# Altium PCB ZYNQ_JTY_16CH.PcbDoc (part 2 of 5)
Units mm, origin at the board's own origin, x right, y up, seen from the top; angles counter-clockwise.
Board outline 164 x 124.5 mm, 4 copper layers (Top1, GND2, PWR3, Bottom4), stack 0.568 mm thick; 525 components, 438 nets, 2202 pads, 1379 vias.
Unrouted connection lines stored in the file: 13.
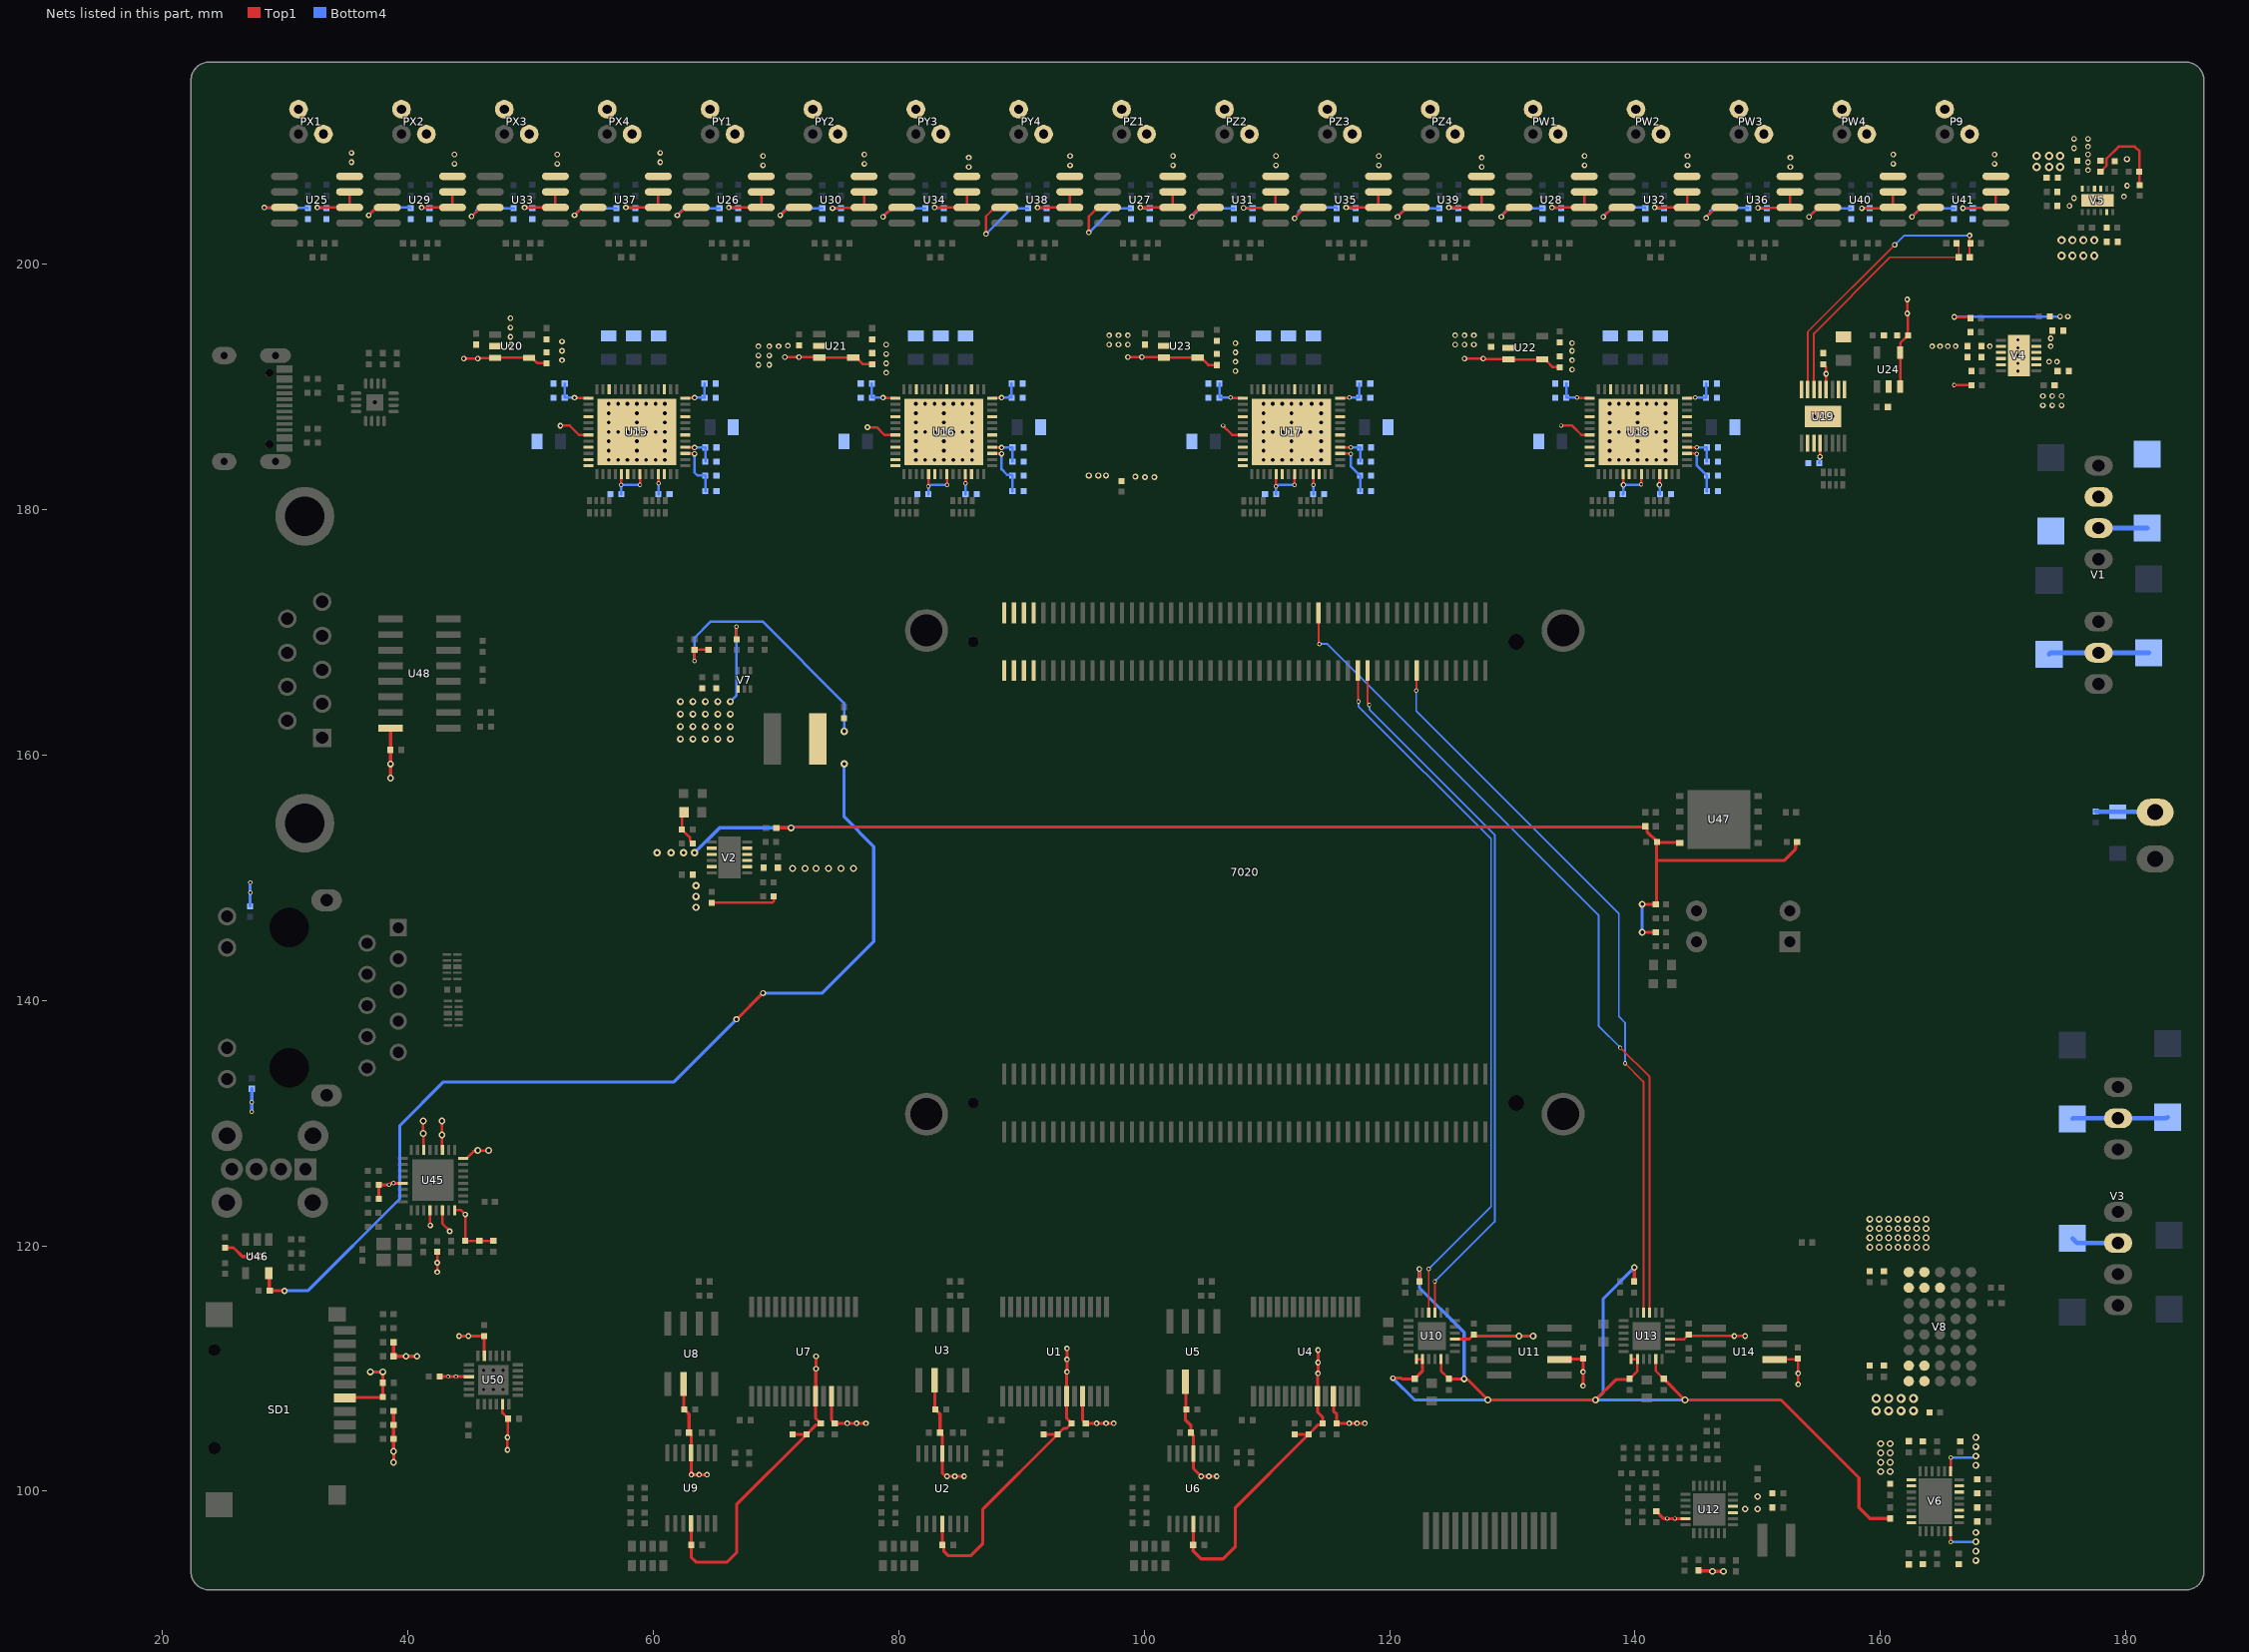
[diagram p4: the nets of this part, all layers, seen from the top]

## Footprints (in the part's own frame and the unit in brackets; to place one, negate y for a bottom-side part, rotate by r counter-clockwise, add the part's x,y. Pads: shape width x height; smd on the part's side, far side on the other; paste and mask are expansions set on the pad) (continued)
USB2.0_Type-A_DIP_F_3 [mm] "USB2.0_Type-A直插立式母座"
  rect 1.8x1.8 hole 1: 1(-18.56,0)
  round 1.8 hole 1: 2(-16.56,0) 3(-14.56,0) 4(-12.56,0)
  round 2.5 hole 1.35: G(-19.167,-2.718) G(-19.141,2.718) G(-12.167,-2.718) G(-12.141,2.718)
  silkscreen extent -20.04,-2.88 -0.51,2.88, body extent -19.72,-3.61 -0.47,3.64, height 14.45
"USB Type-C" [mm]
  rect 0.6x1.3 smd mask+0.064: 1(-3.2,2.462) 2(-2.4,2.462) 11(2.4,2.462) 12(3.2,2.462)
  rect 0.3x1.3 smd mask+0.064: 3(-1.75,2.462) 4(-1.25,2.462) 5(-0.75,2.462) 6(-0.25,2.463) 7(0.25,2.463) 8(0.75,2.462) 9(1.25,2.462) 10(1.75,2.462)
  oval 1.2x2.5 hole 0.6 slot 1.6 at 90 deg: SH1(-4.32,1.718) SH3(4.32,1.717)
  oval 1.4x2 hole 0.6 slot 1.2 at 90 deg: SH2(-4.32,-2.462) SH4(4.32,-2.462)
  round 0.65 hole 0.65 unplated mask+0: ""(-2.89,1.218) ""(2.89,1.218)
  silkscreen extent -4.34,-5.07 4.32,0.37, body extent -4.47,-5.04 4.47,2.86, height 3.2
VDFPN8_8X6_MRN [mil]
  rect 24x19 smd paste+0 mask+0: 1(-126,75) 2(-126,25) 3(-126,-25) 4(-126,-75) 5(126,-75) 6(126,-25) 7(126,25) 8(126,75)
  rect 203x189 smd paste+0 mask+0: 9(0,0)
  silkscreen extent -170,-123 163,123, body extent -157,-118 157,118, height 39
WRB_S-3WR2 [mm]
  oval 1.6x2.3 hole 1: 1(-8.89,0) 2(-6.35,0) 3(-3.81,0) 5(1.27,0) 6(3.81,0) 7(6.35,0) 8(8.89,0)
  silkscreen extent -11.3,-7.3 11.3,2.8
XTAL-2025-4P [mm] "2*2.5*0.55mm(长宽高)"
  rect 1.2x1 smd: 1(-0.85,-0.65) 2(0.85,-0.65) 3(0.85,0.65) 4(-0.85,0.65)
  silkscreen extent -1.75,-1.4 1.63,1.32, body extent -1.25,-1 1.25,1, height 0.55
ZYNQ7010&7020_CB [mm]
  round 3.5 hole 2.6: 0(-11.591,36.148) 0(-11.591,-3.264) 0(40.28,36.148) 0(40.28,-3.264)
  rect 0.35x1.7 smd: J1_1(33.944,-4.7) J1_2(33.944,0) J1_3(33.144,-4.7) J1_4(33.144,0) J1_5(32.344,-4.7) J1_6(32.344,0) J1_7(31.544,-4.7) J1_8(31.544,0) J1_9(30.744,-4.7) J1_10(30.744,0) J1_11(29.944,-4.7) J1_12(29.944,0) J1_13(29.144,-4.7) J1_14(29.144,0) J1_15(28.344,-4.7) J1_16(28.344,0) J1_17(27.544,-4.7) J1_18(27.544,0) J1_19(26.744,-4.7) J1_20(26.744,0) J1_21(25.944,-4.7) J1_22(25.944,0) J1_23(25.144,-4.7) J1_24(25.144,0) J1_25(24.344,-4.7) J1_26(24.344,0) J1_27(23.544,-4.7) J1_28(23.544,0) J1_29(22.744,-4.7) J1_30(22.744,0) J1_31(21.944,-4.7) J1_32(21.944,0) J1_33(21.144,-4.7) J1_34(21.144,0) J1_35(20.344,-4.7) J1_36(20.344,0) J1_37(19.544,-4.7) J1_38(19.544,0) J1_39(18.744,-4.7) J1_40(18.744,0) J1_41(17.944,-4.7) J1_42(17.944,0) J1_43(17.144,-4.7) J1_44(17.144,0) J1_45(16.344,-4.7) J1_46(16.344,0) J1_47(15.544,-4.7) J1_48(15.544,0) J1_49(14.744,-4.7) J1_50(14.744,0) J1_51(13.944,-4.7) J1_52(13.944,0) J1_53(13.144,-4.7) J1_54(13.144,0) J1_55(12.344,-4.7) J1_56(12.344,0) J1_57(11.544,-4.7) J1_58(11.544,0) J1_59(10.744,-4.7) J1_60(10.744,0) J1_61(9.944,-4.7) J1_62(9.944,0) J1_63(9.144,-4.7) J1_64(9.144,0) J1_65(8.344,-4.7) J1_66(8.344,0) J1_67(7.544,-4.7) J1_68(7.544,0) J1_69(6.744,-4.7) J1_70(6.744,0) J1_71(5.944,-4.7) J1_72(5.944,0) J1_73(5.144,-4.7) J1_74(5.144,0) J1_75(4.344,-4.7) J1_76(4.344,0) J1_77(3.544,-4.7) J1_78(3.544,0) J1_79(2.744,-4.7) J1_80(2.744,0) J1_81(1.943,-4.7) J1_82(1.943,0) J1_83(1.143,-4.7) J1_84(1.143,0) J1_85(0.343,-4.7) J1_86(0.343,0) J1_87(-0.457,-4.7) J1_88(-0.457,0) J1_89(-1.257,-4.7) J1_90(-1.257,0) J1_91(-2.057,-4.7) J1_92(-2.057,0) J1_93(-2.857,-4.7) J1_94(-2.857,0) J1_95(-3.657,-4.7) J1_96(-3.657,0) J1_97(-4.457,-4.7) J1_98(-4.457,0) J1_99(-5.257,-4.7) J1_100(-5.257,0) J2_1(33.943,32.884) J2_2(33.943,37.584) J2_3(33.144,32.884) J2_4(33.144,37.584) J2_5(32.343,32.884) J2_6(32.343,37.584) J2_7(31.544,32.884) J2_8(31.544,37.584) J2_9(30.744,32.884) J2_10(30.744,37.584) J2_11(29.944,32.884) J2_12(29.943,37.584) J2_13(29.144,32.884) J2_14(29.144,37.584) J2_15(28.344,32.884) J2_16(28.344,37.584) J2_17(27.544,32.884) J2_18(27.544,37.584) J2_19(26.744,32.884) J2_20(26.744,37.584) J2_21(25.944,32.884) J2_22(25.944,37.584) J2_23(25.144,32.884) J2_24(25.144,37.584) J2_25(24.344,32.884) J2_26(24.344,37.584) J2_27(23.544,32.884) J2_28(23.544,37.584) J2_29(22.744,32.884) J2_30(22.744,37.584) J2_31(21.943,32.884) J2_32(21.943,37.584) J2_33(21.144,32.884) J2_34(21.144,37.584) J2_35(20.344,32.884) J2_36(20.344,37.584) J2_37(19.544,32.884) J2_38(19.544,37.584) J2_39(18.744,32.884) J2_40(18.744,37.584) J2_41(17.943,32.884) J2_42(17.943,37.584) J2_43(17.144,32.884) J2_44(17.144,37.584) J2_45(16.344,32.884) J2_46(16.344,37.584) J2_47(15.544,32.884) J2_48(15.544,37.584) J2_49(14.744,32.884) J2_50(14.744,37.584) J2_51(13.944,32.884) J2_52(13.944,37.584) J2_53(13.144,32.884) J2_54(13.144,37.584) J2_55(12.344,32.884) J2_56(12.344,37.584) J2_57(11.544,32.884) J2_58(11.544,37.584) J2_59(10.744,32.884) J2_60(10.744,37.584) J2_61(9.942,32.884) J2_62(9.942,37.584) J2_63(9.143,32.884) J2_64(9.143,37.584) J2_65(8.343,32.884) J2_66(8.343,37.584) J2_67(7.543,32.884) J2_68(7.543,37.584) J2_69(6.743,32.884) J2_70(6.743,37.584) J2_71(5.943,32.884) J2_72(5.943,37.584) J2_73(5.143,32.884) J2_74(5.143,37.584) J2_75(4.343,32.884) J2_76(4.343,37.584) J2_77(3.543,32.884) J2_78(3.543,37.584) J2_79(2.743,32.884) J2_80(2.743,37.584) J2_81(1.941,32.884) J2_82(1.941,37.584) J2_83(1.142,32.884) J2_84(1.142,37.584) J2_85(0.342,32.884) J2_86(0.342,37.584) J2_87(-0.458,32.884) J2_88(-0.458,37.584) J2_89(-1.258,32.884) J2_90(-1.258,37.584) J2_91(-2.058,32.884) J2_92(-2.058,37.584) J2_93(-2.858,32.884) J2_94(-2.858,37.584) J2_95(-3.658,32.884) J2_96(-3.658,37.584) J2_97(-4.458,32.884) J2_98(-4.458,37.584) J2_99(-5.258,32.884) J2_100(-5.258,37.584)
  round 1.3 hole 1.3 unplated: ""(-7.781,35.234) ""(-7.781,-2.35)
  round 0.9 hole 0.9 unplated: ""(36.47,35.234) ""(36.47,-2.35)
  silkscreen extent -14.39,-6.06 43.11,43.28

## Part data
232: "DSUB-9Pin母座", 当前库版本V2023.5.31 @淘宝卖家:黄晶宝石=最新版本发布https://shop463601444.taobao.com
7020: "ZYNQ7010&7020 Core Board"
BOOT_CFG: "2路拨码开关", BOM名称=2路拨码开关, 联系下单店铺卖家 免费技术支持="联系下单店铺卖家 免费帮你查找封装"
C1 C2 C3 C4 C5 C6 C7 C8 C9 C10 C11 C12 C13 C14 C15 C16 C17 C18 C19 C20 C21 C22 C23 C24 C25 C26 C27 C28 C29 C30 C31 C32 C33 C34 C35 C36 C37 C38 C39 C40 C41 C42 C43 C44 C45 C46 C47 C48 C49 C50 C51 C52 C53 C54 C55 C56 C57 C58 C59 C60 C61 C62 C63 C64 C65 C66 C67 C68 C69 C70 C71 C72 C73 C74 C75 C76 C77 C78 C79 C80 C81 C82 C83 C84 C85 C86 C87 C88 C89 C90 C91 C92 C93 C94 C95 C96 C97 C98 C99 C100 C101 C102 C103 C104 C105 C106 C107 C108 C109 C110 C111 C112 C113 C114 C115 C116 C117 C118 C119 C120 C121 C122 C123 C124 C125 C126 C127 C128 C129 C130 C131 C132 C133 C134 C135 C136 C137 C138 C139 C140 C141 C142 C143 C144 C145 C146 C147 C148 C149 C150 C151 C152 C153 C154 C155 C156 C157 C158 C159 C160 C161 C162 C163 C164 C165 C166 C167 C168 C169 C170 C171 C172 C173 C174 C175 C176 C177 C178 C179 C180 C181 C182 C183 C184 C185 C186 C187 C188 C189 C190 C191 C192 C193 C194 C195 C196 C197 C198 C199 C200 C201 C202 C203 C204 C205 C206 C207 C208 C209 C210 C211 C212 C213 C214 C215 C216 C217 C218 C219 C220 C221 C222 C223 C224 C225 C226 C227 C228 C229 C230 C231 C232 C233 C234 C235 C236 C237 C238 C239 C240 C241 C242 C243 C244 C245 C246 C247 C248 C249 C250 C251 C252 C253 C254 C255 C256 C257 C258 C259 C260 C261 C262 C263: library part C, "贴片电容/MLCC电容", BOM名称=无极性贴片电容, 当前库版本V2023.5.31 @淘宝卖家:黄晶宝石=最新版本发布https://item.taobao.com/item.htm?id=566775463719
DC_IN: library part "Header 2", "2P接插件", BOM名称=2P接插件, 当前库版本V2022.10.7 @淘宝卖家:黄晶宝石=最新版本发布https://shop463601444.taobao.com
E1 E2 E3 E4 E5 E6 E7 E8 E10: library part CT, "贴片钽电容", BOM名称=贴片钽电容, 当前库版本V2023.5.31 @淘宝卖家:黄晶宝石=最新版本发布https://item.taobao.com/item.htm?id=566775463719
GE_PS1: library part HR911131A/C_1, "千兆以太网接口"
L1 L2: library part FB, "贴片磁珠", BOM名称=直插磁珠, 联系下单店铺卖家 免费帮你查找封装="联系下单店铺卖家 免费技术支持"
L3 L4: library part L-SWPA, "顺络_SWPA贴片屏蔽电感", BOM名称=功率屏蔽电感, 当前库版本V2023.5.31 @淘宝卖家:黄晶宝石=最新版本发布https://item.taobao.com/item.htm?id=566775463719
LED1 LED2: library part LED, "贴片LED", BOM名称=贴片LED, 封装库来自淘宝卖家：黄晶宝石=其他店铺购入均为盗版封装库，无更新权益，请立即申请退款，本店现金奖励200~1000元
R1 R2 R3 R4 R5 R6 R7 R8 R9 R10 R12 R13 R14 R15 R16 R17 R18 R19 R21 R22 R23 R24 R25 R26 R27 R29 R30 R31 R32 R33 R34 R35 R36 R37 R38 R39 R40 R41 R42 R43 R44 R45 R46 R47 R48 R49 R50 R58 R61 R62 R63 R64 R65 R66 R67 R68 R69 R70 R71 R72 R73 R74 R75 R76 R77 R78 R79 R80 R81 R82 R83 R84 R85 R86 R87 R88 R89 R90 R91 R92 R93 R94 R95 R96 R97 R98 R99 R100 R101 R102 R103 R104 R105 R106 R107 R108 R109 R110 R111 R112 R113 R114 R115 R116 R117 R118 R119 R120 R121 R122 R123 R124 R125 R126 R127 R128 R129 R130 R131 R132 R133 R134 R135 R136 R137 R138 R139 R140 R141 R142 R143 R144 R145 R146 R147 R148 R149 R150 R151 R152 R153 R154 R155 R156 R157 R158 R159 R160 R161 R162 R163: library part R, "贴片电阻", BOM名称=贴片电阻, 联系下单店铺卖家 免费帮你查找封装="联系下单店铺卖家 免费技术支持"
R11 R20 R28 R51 R52 R53 R54 R55 R56 R57 R59 R60: library part R-8P4R, "贴片4P排阻", BOM名称=贴片网络排阻, 当前库版本V2023.5.31 @淘宝卖家:黄晶宝石=最新版本发布https://item.taobao.com/item.htm?id=566775463719
SD1: "Micro SD卡", BOM名称="Micro SD卡", 学习资源=www.ooocke.com, 版权归属=源创客
U1 U2 U3 U4 U5 U6 U7 U8 U9 U10 U11 U12 U13 U14 U15 U16 U17 U18 U19 V2 V4 V6 V8: "No Description Available", Mfr_Name="Analog Devices Inc", RefDes=RefDes
  U1 U3 U4 U5 U7 U8 U10 U11 U12 U13 U14 U15 U16 U17 U18 U19 V2 V4 V6 V8: Type=Type
  U2 U6 U9: Type=Linear
U20 U21 U22 U23 U24: library part REF1925AIDDCT, "No Description Available", Mfr_Name="Texas Instruments", RefDes=RefDes, Type=Type
U25 U26 U27 U28 U29 U30 U31 U32 U33 U34 U35 U36 U37 U38 U39 U40 U41 U50 V5: "No Description Available", Mfr_Name="Texas Instruments", RefDes=RefDes
  U25 U26 U27 U28 U29 U30 U31 U32 U33 U34 U35 U36 U37 U38 U39 U40 U41: Type=TYPE
  U50: Type=Type
  V5: Copyright="Copyright (C) 2023 Ultra Librarian. All rights reserved.", Manufacturer_Part_Number=LM27762DSSR, Type=DEV
U45: "No Description Available", Mfr_Name=Microchip, RefDes=RefDes, Type=Type
U46: "No Description Available", Alternate_PartNumber=TPS2051BDBVT, Manufacturer="Texas Instruments", CompType=IC, Mfr_Name="Texas Instruments", MountType=SMT, PackageReference=DBV0005A, PartNumber=TPS2051BDBVR, RefDes=RefDes, RoHS=Y, Type=TYPE
U47: "No Description Available", Mfr_Name=Micron, RefDes=RefDes, Type=Type
U48: "No Description Available", Mfr_Name=MaxLinear, RefDes=RefDes, Type=Type
U49: "USB to high speed enhanced TTL Serial / UART"
U51 U52: "ESD保护二极管阵列"
USB1: library part USB2.0_Type-A_F, "USB2.0_Type-A母座", BOM名称=USB2.0_Type-A母座, 联系下单店铺卖家 免费技术支持="联系下单店铺卖家 免费帮你查找封装"
USB_UART1: library part "USB Type-C", "12P TypeC 母座"
V1 V3: library part WRB_S-3WR2
V7: "No Description Available", Mfr_Name="Monolithic Power Systems", RefDes=RefDes, Type=Type
X1: library part XTAL-4P, "4脚无源晶振(谐振器）", BOM名称=4脚无源晶振(谐振器）, 联系下单店铺卖家 免费帮你查找封装="联系下单店铺卖家 免费技术支持"

## Via types
v1: diameter 0.457, hole 0.254, Top1 to Bottom4, tented both sides, 707 vias
v2: diameter 0.356, hole 0.203, Top1 to Bottom4, tented both sides, 314 vias
v3: diameter 0.559, hole 0.305, Top1 to Bottom4, tented both sides, 261 vias
v4: diameter 0.508, hole 0.279, Top1 to Bottom4, tented both sides, 40 vias
v5: diameter 0.66, hole 0.356, Top1 to Bottom4, tented both sides, 18 vias
v6: diameter 0.711, hole 0.381, Top1 to Bottom4, tented both sides, 14 vias
v7: diameter 0.61, hole 0.305, Top1 to Bottom4, tented both sides, 12 vias
v8: diameter 0.61, hole 0.254, Top1 to Bottom4, tented both sides, 9 vias
v9: diameter 0.508, hole 0.305, Top1 to Bottom4, tented both sides, 4 vias

## Nets (pads, with @x,y where several pads share a name; then routed paths per layer and width w, separated by ;. In a path a pad name is that pad's centre, name@x,y a point inside that pad or via, vN(x,y) a via of type N, cw(c..) or ccw(c..) an arc to the next point about the centre after c; other vN are vias at no path point)
9+: C195.2 R110.2 U19.6 | length 20.1
  Top1 w0.152: U19.6@154.571,189.763 154.571,194.322 160.782,200.533 C195.2@166.37,200.533 166.37,201.51 R110.2@166.204,201.676
9-: C195.1 R111.2 U19.7 | length 23
  Top1 w0.152: U19.7@154.071,189.763 154.071,194.457 v1(161.163,201.549) ; v1(167.259,202.311) 167.259,201.759 R111.2@167.342,201.676 167.259,201.593 167.259,200.544 C195.1@167.27,200.533
  Bottom4 w0.152: v1(161.163,201.549) 161.925,202.311 v1(167.259,202.311)
+1.8V: C198.1 C201.2 C234.2 C235.2 C236.2 C257.1 R112.2 R142.2 U45.8 U45.11 U45.14 U45.28 U45.30 U45.32 U50.5 V2.5 | length 26.9
  Top1 w0.203: v3(41.275,130.175) v3(41.275,129.159) 41.294,129.14 41.294,127.819 U45.14@41.313,127.8 ; U45.28@41.821,122.898 41.84,122.879 41.84,121.685 v1(41.859,121.666) ; v1(42.418,117.856) v1(42.418,118.618) R142.2@42.418,119.518 ; v3(42.799,130.175) v3(42.799,129.032) 42.818,129.013 42.818,127.819 U45.11@42.837,127.8 ; U45.30@42.837,122.898 42.837,121.812 43.434,121.215 v1(43.434,121.187) ; U45.32@43.853,122.898 44.361,122.898 v1(44.704,122.555) C234.2@44.704,120.407 C235.2@45.847,120.407 C236.2@46.99,120.407 ; U45.8@44.526,127.127 44.806,127.127 45.373,127.694 45.652,127.694 v3(45.72,127.762) v3(46.609,127.762) ; U50.5@47.74,107.093 47.74,106.369 C257.1@48.191,105.918 48.162,105.889 48.162,104.423 v1(48.133,104.394) v1(48.133,103.378) ; C201.2@64.77,147.944 69.706,147.944 69.825,148.063 R112.2@69.825,148.463
  other v7: 63.5,147.574 63.5,148.463 63.5,149.352
+3V3: C199.1 C200.2 C237.2 C238.2 C249.2 C250.1 C253.1 C254.1 C258.1 C259.1 R1.2 R2.2 R113.2 R145.1 R148.2 R150.2 R151.1 R152.1 R153.1 R154.1 R155.1 R161.2 R162.1 R163.1 SD1.4 U45.21 U47.8 U48.16 U50.17 U50.21 V2.2 V2.3 | length 141.8
  Top1 w0.203: R163.1@62.521,155.321 62.346,155.146 C200.2@62.346,153.924 62.992,153.278 62.992,153.035 C199.1@63.246,152.781
  Top1 w0.254: R145.1@25.146,119.844 25.825,119.844 26.543,119.126 v3(27.178,119.126) v3(28.067,119.126) ; SD1.4@34.884,107.605 34.929,107.651 37.938,107.651 C253.1@37.984,107.696 C254.1@37.984,108.839 37.978,108.844 37.978,109.723 v3(37.973,109.728) v3(36.957,109.728) ; C237.2@37.658,123.825 C238.2@37.658,124.968 v2(38.481,124.968) 38.508,124.968 38.616,125.076 38.843,125.076 v2(38.862,125.095) U45.21@39.624,125.095 ; v3(38.608,158.115) v3(38.608,159.258) U48.16@38.608,162.179 ; R155.1@38.856,106.553 R153.1@38.856,105.41 R154.1@38.856,104.267 38.859,104.264 38.859,103.254 v3(38.862,103.251) v3(38.862,102.362) ; R152.1@38.856,112.141 R151.1@38.856,110.998 v3(39.878,110.998) v3(40.767,110.998) ; C259.1@42.614,109.347 44.701,109.347 44.73,109.318 U50.21@45.015,109.318 ; v1(44.196,112.649) v1(44.958,112.649) 44.963,112.644 46.223,112.644 C258.1@46.228,112.638 46.234,112.632 46.234,111.049 U50.17@46.24,111.043 ; R113.2@70.041,154.051 v3(71.247,154.051) 71.305,154.109 140.774,154.109 R150.2@140.843,154.178 140.966,154.055 140.966,153.743 C249.2@141.801,152.908 ; v3(140.589,145.542) R1.2@141.688,145.542 ; v3(140.589,147.828) R2.2@141.688,147.828 141.744,147.884 141.744,151.384 ; U47.8@143.637,152.832 143.599,152.87 141.839,152.87 C249.2@141.801,152.908 ; R148.2@153.206,152.908 153.083,152.785 153.083,152.321 152.146,151.384 141.744,151.384 ; 141.744,151.384 141.744,152.852 C249.2@141.801,152.908
  Bottom4 w0.254: R161.2@27.178,147.662 v2(27.178,148.761) v2(27.178,149.606) ; v2(27.305,130.937) v2(27.305,131.699) R162.1@27.305,132.798 ; v3(140.589,145.542) v3(140.589,147.828)
  Bottom4 w0.305: v7(63.373,152.019) 65.405,154.051 v3(71.247,154.051)
  other v2: 43.307,109.347 43.942,109.347
  other v7: 60.325,152.019 61.468,152.019 62.484,152.019
+3V3_S7500: C34.2 C35.2 C46.2 C47.2 C212.2 C214.2 L1.1 L2.1 R118.2 U10.7 U10.8 U10.11 U13.7 U13.8 U13.11 V6.7 V6.8 | length 100.2
  Top1 w0.203: U10.7@122.194,110.757 U10.8@122.694,110.757 ; U10.11@124.194,110.757 124.194,109.809 124.693,109.31 C35.2@124.841,109.162 ; C46.2@139.548,109.162 140.195,109.809 U13.8@140.195,110.757 U13.7@139.695,110.757 ; U13.11@141.695,110.757 141.695,109.809 C47.2@142.342,109.162
  Top1 w0.254: v1(120.269,109.22) 120.948,109.22 121.006,109.162 C34.2@122.047,109.162 122.694,109.809 U10.8@122.694,110.757 ; L1.1@122.428,117.094 v1(122.428,118.11) ; C35.2@124.841,109.162 v3(126.078,109.161) 126.137,109.103 126.355,109.103 v3(128.016,107.442) v3(136.779,107.442) 138.43,109.093 139.479,109.093 C46.2@139.548,109.162 ; L2.1@139.929,117.094 139.941,117.107 139.941,118.224 v4(139.954,118.237) ; C47.2@142.342,109.162 v3(144.062,107.442) 151.892,107.442 158.242,101.092 158.242,98.679 159.142,97.779 C214.2@160.782,97.779
  Bottom4 w0.254: v1(120.269,109.22) 122.047,107.442 v3(128.016,107.442) v3(136.779,107.442) ; v1(122.428,118.11) 122.428,116.586 126.078,112.936 v3(126.078,109.161) ; v4(139.954,118.237) 137.414,115.697 137.414,108.077 v3(136.779,107.442) ; v3(144.062,107.442) v3(136.779,107.442)
+5_7020: 7020.J1_1 7020.J1_2 7020.J1_3 7020.J1_4 7020.J1_5 7020.J1_6 7020.J1_7 7020.J1_8 C204.2 C217.2 C242.2 L4.2 R122.2 U46.5 | length 103.2
  Top1 w0.203: v2(63.373,167.64) R122.2@63.373,168.568 63.384,168.557 64.505,168.557 C204.2@64.516,168.546
  Top1 w0.254: U46.5@28.702,117.773 28.736,117.739 28.736,116.366 C242.2@28.771,116.332 v4(29.972,116.332) ; v4(66.802,138.455) 66.815,138.455 68.948,140.589 v4(68.961,140.589)
  Bottom4 w0.203: v2(63.373,167.64) 63.373,169.545 64.694,170.866 68.91,170.866 75.565,164.211 v7(75.565,161.925)
  Bottom4 w0.254: v4(29.972,116.332) 31.877,116.332 39.37,123.825 39.37,129.794 42.926,133.35 61.697,133.35 v4(66.802,138.455) ; v4(68.961,140.589) 73.787,140.589 77.978,144.78 77.978,152.527 75.565,154.94 v7(75.565,159.258)
+5V_S7500: C5.2 C6.2 C9.2 C15.2 C16.2 C19.2 C25.2 C26.2 C29.2 C36.2 C38.2 C40.1 C43.2 C44.2 C48.2 C49.2 C211.2 C213.2 R44.1 R119.2 U1.25 U2.4 U3.2 U4.25 U5.2 U6.4 U7.25 U8.2 U9.4 U10.15 U11.2 U12.5 U12.15 U12.16 U13.15 U14.2 V6.1 V6.2 | length 68
  Top1 w0.203: U13.15@142.837,112.399 144.008,112.399 C48.2@144.374,112.765 144.49,112.649 v1(148.082,112.649) v1(148.971,112.649) ; U14.2@151.359,110.744 151.388,110.773 153.235,110.773 C49.2@153.264,110.802 153.276,110.789 153.276,109.614 v1(153.289,109.601) v1(153.289,108.712)
  Top1 w0.254: U8.2@62.484,108.737 62.513,108.708 62.513,106.709 C25.2@62.542,106.68 62.934,106.288 C29.2@62.934,104.775 63.104,104.605 U9.4@63.104,103.124 63.104,101.361 v1(63.119,101.346) v1(63.754,101.346) v1(64.389,101.346) ; U7.25@74.539,107.747 74.539,105.801 C26.2@74.803,105.537 v1(75.819,105.537) v1(76.581,105.537) v1(77.343,105.537) ; U3.2@82.931,109.042 82.96,109.013 82.96,106.709 C5.2@82.989,106.68 83.381,106.288 C9.2@83.381,104.775 83.566,104.59 U2.4@83.566,103.081 83.566,101.473 83.82,101.219 v1(83.947,101.219) v1(84.582,101.219) v1(85.344,101.219) ; U1.25@94.986,107.747 94.986,105.801 C6.2@95.25,105.537 v1(96.139,105.537) v1(96.901,105.537) v1(97.536,105.537) ; U5.2@103.378,108.915 103.407,108.886 103.407,106.709 C15.2@103.436,106.68 103.378,106.622 103.378,105.791 103.828,105.341 C19.2@103.828,104.775 104.013,104.59 U6.4@104.013,103.081 104.013,101.854 v1(104.648,101.219) v1(105.283,101.219) v1(105.918,101.219) ; U4.25@115.433,107.747 115.433,106.531 115.697,106.266 C16.2@115.697,105.537 v1(116.713,105.537) v1(117.348,105.537) v1(117.983,105.537) ; U10.15@125.336,112.399 126.507,112.399 C36.2@126.873,112.765 126.989,112.649 v3(130.556,112.649) v3(131.699,112.649) ; U11.2@133.858,110.744 133.887,110.773 135.734,110.773 C38.2@135.763,110.802 v1(135.763,109.728) v1(135.763,108.585) ; C40.1@141.732,98.367 142.316,97.783 142.617,97.783 v2(142.637,97.764) v2(143.256,97.764) U12.5@144.095,97.764 ; R44.1@145.161,93.555 145.202,93.514 146.262,93.514 v3(146.304,93.472) v3(147.193,93.472)
  other v3: 148.971,98.552 149.987,98.552 149.987,99.568 160.02,101.6 160.782,101.6 160.02,102.362 160.782,102.362 160.02,103.124 160.782,103.124 160.02,103.886 160.782,103.886
+A3V3_PD: C58.1 C67.1 C68.1 C69.1 C70.1 C71.1 C72.1 C73.1 C74.1 C77.1 C78.1 C79.1 C80.1 C81.1 C82.1 C83.1 C84.1 C96.1 C97.1 C98.1 C99.1 C100.1 C101.1 C102.1 C103.1 C106.1 C107.1 C108.1 C109.1 C110.1 C111.1 C112.1 C113.1 C206.1 C207.2 R117.2 U15.15 U15.21 U15.43 U15.44 U15.52 U16.15 U16.21 U16.43 U16.44 U16.52 U17.15 U17.21 U17.43 U17.44 U17.52 U18.15 U18.21 U18.43 U18.44 U18.52 U19.4 V4.2 V4.3 | length 65.1
  Top1 w0.203: v1(52.451,186.817) 53.213,186.817 53.971,186.059 U15.21@54.724,186.059 ; v1(53.594,189.103) 53.616,189.081 54.702,189.081 U15.15@54.724,189.059 ; U15.43@62.624,184.559 62.638,184.545 63.359,184.545 v1(63.373,184.531) ; U15.44@62.624,185.059 62.634,185.049 63.363,185.049 v1(63.373,185.039) ; U15.52@62.624,189.059 62.646,189.081 63.351,189.081 v1(63.373,189.103) ; v1(77.47,186.69) 78.232,186.69 78.863,186.059 U16.21@79.743,186.059 ; v1(78.74,189.103) 78.762,189.081 79.721,189.081 U16.15@79.743,189.059 ; U16.43@87.643,184.559 87.657,184.545 88.378,184.545 v1(88.392,184.531) ; U16.44@87.643,185.059 87.653,185.049 88.382,185.049 v1(88.392,185.039) ; U16.52@87.643,189.059 87.665,189.081 88.37,189.081 v1(88.392,189.103) ; v2(106.426,186.817) 107.184,186.059 U17.21@108.064,186.059 ; v2(107.061,189.103) 107.083,189.081 108.042,189.081 U17.15@108.064,189.059 ; U17.43@115.964,184.559 115.978,184.545 116.826,184.545 v2(116.84,184.531) ; U17.44@115.964,185.059 115.974,185.049 116.83,185.049 v2(116.84,185.039) ; U17.52@115.964,189.059 115.986,189.081 116.691,189.081 v2(116.713,189.103) ; v2(133.985,186.817) 134.874,186.817 135.632,186.059 U18.21@136.319,186.059 ; v2(135.255,189.103) 135.277,189.081 136.297,189.081 U18.15@136.319,189.059 ; U18.43@144.219,184.559 144.233,184.545 145.02,184.545 v2(145.034,184.531) ; U18.44@144.219,185.059 144.229,185.049 v2(145.024,185.049) ; U18.52@144.219,189.059 144.241,189.081 144.885,189.081 v2(144.907,189.103) ; C58.1@155.321,191.828 155.571,191.578 U19.4@155.571,189.763 ; v2(165.989,190.119) R117.2@167.411,190.119
  Bottom4 w0.203: C73.1@52.801,190.246 C70.1@52.801,189.103 v1(53.594,189.103) ; v1(63.373,184.531) 63.373,183.007 63.627,182.753 C69.1@64.262,182.753 C74.1@64.262,181.483 ; v1(63.373,185.039) C72.1@64.262,185.039 C68.1@64.262,183.896 ; v1(63.373,189.103) C67.1@64.193,189.103 C71.1@64.193,190.246 ; C83.1@77.82,190.246 C80.1@77.82,189.103 v1(78.74,189.103) ; v1(88.392,184.531) 88.392,183.261 88.845,182.808 89.226,182.808 C79.1@89.281,182.753 C84.1@89.281,181.483 ; v1(88.392,185.039) C82.1@89.281,185.039 C78.1@89.281,183.896 ; v1(88.392,189.103) C77.1@89.212,189.103 C81.1@89.212,190.246 ; C102.1@106.141,190.246 C99.1@106.141,189.103 v2(107.061,189.103) ; v2(116.713,189.103) C96.1@117.533,189.103 C100.1@117.533,190.246 ; v2(116.84,184.531) 116.84,183.515 C98.1@117.602,182.753 C103.1@117.602,181.483 ; v2(116.84,185.039) C101.1@117.602,185.039 C97.1@117.602,183.896 ; C112.1@134.396,190.246 C109.1@134.396,189.103 v2(135.255,189.103) ; v2(144.907,189.103) C106.1@145.788,189.103 C110.1@145.788,190.246 ; v2(145.024,185.049) 145.029,185.044 145.852,185.044 C111.1@145.857,185.039 C107.1@145.857,183.896 ; v2(145.034,184.531) 145.034,183.576 C108.1@145.857,182.753 C113.1@145.857,181.483
  other v1: 173.228,188.468 173.99,188.468 174.752,188.468 173.228,189.23 173.99,189.23 174.752,189.23 155.571,191.038 173.736,192.024 174.371,192.024
+A4_PD: C138.1 C140.1 C142.1 C144.1 C154.1 C156.1 C158.1 C160.1 C170.1 C172.1 C174.1 C176.1 C186.1 C188.1 C190.1 C192.1 C196.1 C224.2 R131.2 U25.3 U26.3 U27.3 U28.3 U29.3 U30.3 U31.3 U32.3 U33.3 U34.3 U35.3 U36.3 U37.3 U38.3 U39.3 U40.3 U41.3 V5.11 | length 98.4
  Top1 w0.203: v1(28.321,204.597) U25.3@29.972,204.597 ; v1(36.83,203.962) 37.465,204.597 U29.3@38.354,204.597 ; v1@45.212,203.872 45.937,204.597 U33.3@46.736,204.597 ; v1(53.594,203.962) 54.229,204.597 U37.3@55.118,204.597 ; v1(61.976,203.962) 62.021,203.962 62.656,204.597 U26.3@63.5,204.597 ; v1(70.358,203.962) 70.403,203.962 71.038,204.597 U30.3@71.882,204.597 ; v1(78.74,203.835) 78.74,203.854 79.483,204.597 U34.3@80.264,204.597 ; v1(87.122,202.438) 87.122,203.873 87.846,204.597 U38.3@88.646,204.597 ; v1(95.504,202.565) 95.504,203.873 96.228,204.597 U27.3@97.028,204.597 ; v1(103.886,203.835) 103.886,203.962 104.521,204.597 U31.3@105.41,204.597 ; v1(112.268,203.708) 112.268,203.777 113.088,204.597 U35.3@113.792,204.597 ; v1(120.65,203.835) 121.412,204.597 U39.3@122.174,204.597 ; v1(129.108,203.835) 129.108,203.892 129.813,204.597 U28.3@130.556,204.597 ; v1(137.414,203.835) 137.414,203.854 138.157,204.597 U32.3@138.938,204.597 ; v1(145.796,203.742) 145.796,203.808 146.585,204.597 U36.3@147.32,204.597 ; v1(154.178,203.835) 154.178,203.854 154.921,204.597 U40.3@155.702,204.597 ; v1(162.56,203.835) 162.56,203.854 163.303,204.597 U41.3@164.084,204.597
  Bottom4 w0.203: v1(28.321,204.597) 28.35,204.568 31.848,204.568 C140.1@31.877,204.539 ; v1(36.83,203.962) 37.465,204.597 40.201,204.597 C154.1@40.259,204.539 ; v1(45.212,203.872) 45.616,204.276 45.616,204.366 45.789,204.539 C170.1@48.641,204.539 ; v1(53.594,203.962) 54.171,204.539 C186.1@57.023,204.539 ; v1(61.976,203.962) 62.553,204.539 C138.1@65.405,204.539 ; v1(70.358,203.962) 70.935,204.539 C156.1@73.787,204.539 ; v1(78.74,203.835) 79.444,204.539 C172.1@82.169,204.539 ; v1(87.122,202.438) 89.223,204.539 C188.1@90.551,204.539 ; v1(95.504,202.565) 97.478,204.539 C142.1@98.933,204.539 ; v1(103.886,203.835) 104.59,204.539 C158.1@107.315,204.539 ; v1(112.268,203.708) 112.268,203.777 112.59,204.099 112.59,204.284 112.903,204.597 115.639,204.597 C174.1@115.697,204.539 ; v1(120.65,203.835) 121.354,204.539 C190.1@124.079,204.539 ; v1(129.108,203.835) 129.108,203.904 129.446,204.242 129.446,204.249 129.736,204.539 C144.1@132.461,204.539 ; v1(137.414,203.835) 138.176,204.597 140.785,204.597 C160.1@140.843,204.539 ; v1(145.796,203.742) 145.796,203.811 146.135,204.15 146.135,204.301 146.402,204.568 149.196,204.568 C176.1@149.225,204.539 ; v1(154.178,203.835) 154.882,204.539 C192.1@157.607,204.539 ; v1(162.56,203.835) 163.264,204.539 C196.1@165.989,204.539
  other v5: 174.752,200.66 175.641,200.66 176.53,200.66 177.419,200.66 174.752,201.93 175.641,201.93 176.53,201.93 177.419,201.93
+A5_PD: C65.2 C66.2 C87.2 C88.2 C120.2 C209.1 C210.1 C222.1 E1.1 R132.2 R133.2 U20.3 U20.4 U21.3 U21.4 U22.3 U22.4 U23.3 U23.4 U24.3 U24.4 V1.6 V4.8 V4.9 V4.10 V4.11 V5.3 | length 48.5
  Top1 w0.203: v1(44.577,192.278) v1(45.72,192.278) 45.753,192.311 47.103,192.311 U20.3@47.136,192.344 U20.4@49.892,192.344 50.14,192.344 50.587,191.897 C65.2@51.308,191.897 ; v1(70.739,192.405) v1(71.882,192.405) 71.9,192.387 73.534,192.387 U21.3@73.552,192.369 U21.4@76.308,192.369 76.556,192.369 77.097,191.828 C66.2@77.851,191.828 ; v1(98.679,192.405) v1(99.822,192.405) 99.84,192.387 101.601,192.387 U23.3@101.619,192.369 U23.4@104.375,192.369 104.623,192.369 105.233,191.759 C88.2@105.918,191.759 ; v1(126.111,192.278) v1(127.635,192.278) 127.666,192.247 129.656,192.247 U22.3@129.686,192.217 U22.4@132.442,192.217 132.69,192.217 132.842,192.065 132.842,192.035 133.303,191.574 C87.2@133.858,191.574 ; U24.3@161.605,190.011 U24.4@161.605,192.767 161.605,193.54 C120.2@162.248,194.183 162.213,194.217 162.213,195.927 v1(162.179,195.961) v1(162.179,197.104) ; C222.1@177.927,207.518 178.431,208.022 178.431,208.588 179.393,209.55 180.721,209.55 181.102,209.169 181.102,207.557 181.083,207.537 181.083,206.439 R132.2@181.102,206.419
  Bottom4 w0.381: V1.6@177.768,178.476 181.73,178.476 E1.1@181.737,178.483
  other v1: 164.211,193.294 164.846,193.294 165.481,193.294 166.116,193.294 168.91,193.294 176.911,207.645 176.911,208.28 176.911,208.915 176.911,209.55 176.911,210.185
+A9_S7500: C215.2 C216.2 C228.1 C229.1 C262.2 C263.2 E5.1 R126.2 R127.2 V3.6 V6.14 V6.16 V6.17 V6.20 V6.21 V6.23 V8.G3 V8.G4 V8.G5 V8.H4 V8.H5 | length 10
  Top1 w0.203: V6.14@165.715,96.735 165.725,96.725 165.725,95.895 v2(165.735,95.885) ; V6.23@165.715,101.639 165.725,101.649 165.725,102.733 v2(165.735,102.743)
  Bottom4 w0.203: v2(165.735,95.885) v3(167.767,95.885) ; v2(165.735,102.743) 167.544,102.743 167.671,102.87 v3(167.767,102.87)
  Bottom4 w0.381: E5.1@175.641,120.602 176.015,120.228 V3.6@179.356,120.228
  other v3: 167.767,94.361 167.767,95.123 167.767,96.647 167.767,102.108 167.767,103.632 167.767,104.394 159.131,119.888 159.893,119.888 160.655,119.888 161.417,119.888 162.179,119.888 162.941,119.888 163.703,119.888 159.131,120.65 159.893,120.65 160.655,120.65 161.417,120.65 162.179,120.65 162.941,120.65 163.703,120.65 159.131,121.412 159.893,121.412 160.655,121.412 161.417,121.412 162.179,121.412 162.941,121.412 163.703,121.412 159.131,122.174 159.893,122.174 160.655,122.174 161.417,122.174 162.179,122.174 162.941,122.174 163.703,122.174
+D2V5_PD: C59.1 C75.1 C76.1 C85.1 C86.1 C104.1 C105.1 C114.1 C115.1 C205.1 C208.2 R116.2 U15.31 U15.34 U15.37 U16.31 U16.34 U16.37 U17.31 U17.34 U17.37 U18.31 U18.34 U18.37 U19.12 V4.5 | length 34.4
  Top1 w0.203: v2(57.404,181.991) 57.414,182.001 57.414,182.845 U15.31@57.424,182.855 ; U15.34@58.924,182.855 58.926,182.853 58.926,181.993 v2(58.928,181.991) ; U15.37@60.424,182.855 60.438,182.841 60.438,182.132 v2(60.452,182.118) ; v2(82.423,181.864) 82.433,181.874 82.433,182.845 U16.31@82.443,182.855 ; U16.34@83.943,182.855 83.945,182.853 83.945,181.993 v2(83.947,181.991) ; U16.37@85.443,182.855 85.457,182.841 85.457,182.132 v2(85.471,182.118) ; v2(110.744,181.864) 110.754,181.874 110.754,182.845 U17.31@110.764,182.855 ; U17.34@112.264,182.855 112.266,182.853 112.266,181.993 v2(112.268,181.991) ; U17.37@113.764,182.855 113.778,182.841 113.778,182.005 v2(113.792,181.991) ; U18.31@139.019,182.855 139.042,182.832 139.042,182.014 v1(139.065,181.991) ; v2@140.462,181.991 v2(140.495,182.024) 140.507,182.036 140.507,182.843 U18.34@140.519,182.855 ; v1(141.986,181.991) 142.003,182.008 142.003,182.838 U18.37@142.019,182.855 ; v1(155.071,184.281) U19.12@155.071,185.395 ; v1(166.013,195.683) 166.038,195.658 167.243,195.658 R116.2@167.322,195.58
  Bottom4 w0.203: C75.1@57.415,181.229 57.41,181.235 57.41,181.985 v2(57.404,181.991) v2(58.928,181.991) ; C76.1@60.441,181.229 60.446,181.235 60.446,182.112 v2(60.452,182.118) ; C85.1@82.434,181.229 82.429,181.234 82.429,181.858 v2(82.423,181.864) 82.464,181.864 82.591,181.991 v2(83.947,181.991) ; C86.1@85.46,181.229 85.466,181.235 85.466,182.113 v2(85.471,182.118) ; C104.1@110.755,181.229 110.749,181.235 110.749,181.859 v2(110.744,181.864) 110.785,181.864 110.912,181.991 v2(112.268,181.991) ; C105.1@113.781,181.229 113.786,181.234 113.786,181.985 v2(113.792,181.991) ; C114.1@139.01,181.229 139.038,181.256 139.038,181.964 v1(139.065,181.991) 139.082,182.008 140.479,182.008 v2(140.495,182.024) ; v1(141.986,181.991) 142.011,181.966 142.011,181.254 C115.1@142.036,181.229 ; C59.1@155.009,183.769 155.04,183.8 155.04,184.25 v1(155.071,184.281) ; v1(166.013,195.683) 166.025,195.695 174.613,195.695 v1(174.625,195.707)
  other v1: 173.863,193.294 173.863,193.929 175.26,195.707
+D9: C202.1 C203.1 C219.2 C220.2 C261.2 DC_IN.1 E3.1 E4.1 E7.1 E8.1 E10.1 R125.1 V1.2 V2.8 V2.9 V2.10 V2.11 V3.2 V7.1 | length 28.2
  Top1 w0.203: R125.1@66.802,169.418 v2(66.802,170.434)
  Bottom4 w0.203: v3(66.294,164.338) 66.802,164.846 v2(66.802,170.434)
  Bottom4 w0.381: E4.1@173.736,168.196 173.856,168.316 V1.2@177.768,168.316 181.857,168.316 E3.1@181.864,168.323 ; E8.1@175.641,130.35 175.679,130.388 V3.2@179.356,130.388 183.299,130.388 E7.1@183.388,130.477 ; C261.2@177.546,155.39 177.58,155.355 182.338,155.355 DC_IN.1@182.372,155.321
  other v3: 71.374,150.749 72.39,150.749 73.279,150.749 74.295,150.749 75.311,150.749 76.327,150.749 62.23,161.29 63.246,161.29 64.262,161.29 65.278,161.29 66.294,161.29 62.23,162.306 63.246,162.306 64.262,162.306 65.278,162.306 66.294,162.306 62.23,163.322 63.246,163.322 64.262,163.322 65.278,163.322 66.294,163.322 62.23,164.338 63.246,164.338 64.262,164.338 65.278,164.338
-5V_S7500: C3.2 C4.2 C7.2 C10.2 C12.2 C14.2 C17.2 C20.2 C22.2 C23.2 C27.2 C30.2 C226.1 C227.1 R137.1 U1.23 U2.11 U4.23 U6.11 U7.23 U9.11 V8.A4 V8.A5 V8.B4 V8.B5 | length 80.4
  Top1 w0.254: U9.11@63.104,97.368 63.106,97.366 63.106,94.628 63.5,94.234 66.04,94.234 66.802,94.996 66.802,98.922 C23.2@72.517,104.637 ; C22.2@71.374,104.637 C23.2@72.517,104.637 ; v1(73.279,110.998) v1(73.279,109.982) 73.259,109.962 73.259,107.767 U7.23@73.238,107.747 73.238,105.959 C30.2@73.66,105.537 73.537,105.414 73.294,105.414 C23.2@72.517,104.637 ; U2.11@83.566,97.325 83.561,97.32 83.561,95.637 C7.2@83.555,95.631 83.678,95.508 83.678,95.138 84.074,94.742 85.852,94.742 86.868,95.758 86.868,98.541 C4.2@92.964,104.637 ; C3.2@91.821,104.637 C4.2@92.964,104.637 ; v1(93.726,111.633) v1(93.726,110.744) v1(93.726,109.728) 93.706,109.708 93.706,107.767 U1.23@93.685,107.747 93.685,105.959 C10.2@94.107,105.537 93.689,105.119 93.446,105.119 C4.2@92.964,104.637 ; U6.11@104.013,97.325 104.008,97.32 104.008,95.637 C17.2@104.002,95.631 104.002,95.134 104.648,94.488 106.426,94.488 107.442,95.504 107.442,98.679 113.277,104.514 113.288,104.514 C14.2@113.411,104.637 ; C12.2@112.268,104.637 C14.2@113.411,104.637 ; v1(114.173,111.506) v1(114.173,110.49) v1(114.173,109.601) 114.153,109.581 114.153,107.767 U4.23@114.132,107.747 114.132,106.467 114.554,106.045 C20.2@114.554,105.537 114.431,105.414 114.188,105.414 C14.2@113.411,104.637
  other v6: 159.639,106.553 160.655,106.553 161.671,106.553 162.687,106.553 159.639,107.569 160.655,107.569 161.671,107.569 162.687,107.569
-A4_PD: C139.1 C141.1 C143.1 C145.1 C155.1 C157.1 C159.1 C161.1 C171.1 C173.1 C175.1 C177.1 C187.1 C189.1 C191.1 C193.1 C197.1 C225.1 R136.1 U25.6 U25.7 U26.6 U26.7 U27.6 U27.7 U28.6 U28.7 U29.6 U29.7 U30.6 U30.7 U31.6 U31.7 U32.6 U32.7 U33.6 U33.7 U34.6 U34.7 U35.6 U35.7 U36.6 U36.7 U37.6 U37.7 U38.6 U38.7 U39.6 U39.7 U40.6 U40.7 U41.6 U41.7 V5.6 | length 79.1
  Top1 w0.203: v1@32.639,204.597 v1(32.645,204.591) 32.651,204.597 U25.6@35.28,204.597 U25.7@35.28,205.867 ; v1(41.148,204.597) U29.6@43.662,204.597 U29.7@43.662,205.867 ; v1(49.53,204.597) U33.6@52.044,204.597 U33.7@52.044,205.867 ; v1(57.785,204.597) U37.6@60.426,204.597 U37.7@60.426,205.867 ; v1@66.167,204.597 v1(66.173,204.591) 66.176,204.594 68.805,204.594 U26.6@68.808,204.597 U26.7@68.808,205.867 ; v1@74.549,204.597 v1(74.618,204.528) 74.653,204.562 77.155,204.562 U30.6@77.19,204.597 U30.7@77.19,205.867 ; v1@82.931,204.597 v1(82.937,204.591) 82.94,204.594 85.569,204.594 U34.6@85.572,204.597 U34.7@85.572,205.867 ; v1@91.313,204.597 v1(91.319,204.591) 91.322,204.594 93.951,204.594 U38.6@93.954,204.597 U38.7@93.954,205.867 ; v1(99.695,204.597) U27.6@102.336,204.597 U27.7@102.336,205.867 ; v1@108.077,204.597 v1(108.11,204.564) 108.127,204.58 110.701,204.58 U31.6@110.718,204.597 U31.7@110.718,205.867 ; v1(116.459,204.597) U35.6@119.1,204.597 U35.7@119.1,205.867 ; v1(124.841,204.597) U39.6@127.482,204.597 U39.7@127.482,205.867 ; v1@133.234,204.596 U28.6@135.863,204.596 ; U28.6@135.864,204.597 U28.7@135.864,205.867 ; v1(141.605,204.597) U32.6@144.246,204.597 U32.7@144.246,205.867 ; v1@149.987,204.597 v1(150.02,204.564) 150.037,204.58 152.611,204.58 U36.6@152.628,204.597 U36.7@152.628,205.867 ; v1(158.474,204.534) 160.947,204.534 U40.6@161.01,204.597 U40.7@161.01,205.867 ; v1(166.711,204.545) 166.737,204.571 169.366,204.571 U41.6@169.392,204.597 U41.7@169.392,205.867
  Bottom4 w0.203: v1(32.645,204.591) 32.671,204.565 33.375,204.565 C141.1@33.401,204.539 ; v1(41.148,204.597) 41.177,204.568 41.754,204.568 C155.1@41.783,204.539 ; v1(49.53,204.597) 49.559,204.568 50.136,204.568 C171.1@50.165,204.539 ; v1(57.785,204.597) 57.814,204.568 58.518,204.568 C187.1@58.547,204.539 ; v1(66.173,204.591) 66.199,204.565 66.903,204.565 C139.1@66.929,204.539 ; v1(74.618,204.528) 74.624,204.533 75.305,204.533 C157.1@75.311,204.539 ; v1(82.937,204.591) 82.963,204.565 83.667,204.565 C173.1@83.693,204.539 ; v1(91.319,204.591) 91.345,204.565 92.049,204.565 C189.1@92.075,204.539 ; v1(99.695,204.597) 99.736,204.597 99.794,204.539 C143.1@100.457,204.539 ; v1(108.11,204.564) 108.123,204.551 108.827,204.551 C159.1@108.839,204.539 ; v1(116.459,204.597) 116.5,204.597 116.558,204.539 C175.1@117.221,204.539 ; v1(124.841,204.597) 124.882,204.597 124.94,204.539 C191.1@125.603,204.539 ; v1(133.233,204.596) 133.261,204.567 133.957,204.567 C145.1@133.985,204.539 ; v1(141.605,204.597) 141.646,204.597 141.704,204.539 C161.1@142.367,204.539 ; v1(150.02,204.564) 150.033,204.551 150.737,204.551 C177.1@150.749,204.539 ; v1(158.474,204.534) 158.476,204.536 159.128,204.536 C193.1@159.131,204.539 ; v1(166.711,204.545) 166.714,204.542 167.51,204.542 C197.1@167.513,204.539
  other v5: 172.72,207.899 173.736,207.899 174.625,207.899 172.72,208.788 173.736,208.788 174.625,208.788
/CS_GAIN: 7020.J1_76 U10.21 | length 58.6
  Top1 w0.152: 7020.J1_76@118.21,166.869 118.224,166.856 118.224,164.219 118.334,164.109 v2(118.334,164.054) ; U10.21@123.694,114.541 123.696,114.543 123.696,117.092 v2(123.698,117.094)
  Bottom4 w0.152: v2(118.334,164.054) 118.364,164.024 118.364,163.703 128.575,153.492 128.575,121.971 v2(123.698,117.094)
/CS_SOA: 7020.J1_65 U13.21 | length 68.6
  Top1 w0.152: 7020.J1_65@114.21,171.569 114.21,169.182 114.3,169.092 v2(114.3,169.037) ; v2(138.786,136.144) 138.811,136.144 141.195,133.76 U13.21@141.195,114.541
  Bottom4 w0.152: v2(114.3,169.037) 114.935,169.037 137.033,146.939 137.033,137.922 138.786,136.169 v2(138.786,136.144)
/RST_GAIN: 7020.J1_74 U10.22 | length 58.9
  Top1 w0.152: 7020.J1_74@117.41,166.869 117.442,166.837 117.442,164.371 v2(117.475,164.338) ; v2(123.19,118.11) 123.192,118.108 123.192,114.543 U10.22@123.194,114.541
  Bottom4 w0.152: v2(117.475,164.338) 117.475,163.957 128.27,153.162 128.27,123.19 v2(123.19,118.11)
/RST_SOA: 7020.J1_86 U13.22 | length 60
  Top1 w0.152: v2(122.174,165.227) 122.193,165.246 122.193,166.851 7020.J1_86@122.211,166.869 ; v2(139.192,134.874) 140.695,133.371 U13.22@140.695,114.541
  Bottom4 w0.152: v2(122.174,165.227) 122.174,163.576 138.684,147.066 138.684,138.684 139.192,138.176 v2(139.192,134.874)
AGND1: C52.2 C53.2 C54.2 C55.2 C56.1 C57.2 C58.2 C59.2 C60.2 C61.2 C62.2 C63.2 C64.1 C65.1 C66.1 C67.2 C68.2 C69.2 C70.2 C71.2 C72.2 C73.2 C74.2 C75.2 C76.2 C77.2 C78.2 C79.2 C80.2 C81.2 C82.2 C83.2 C84.2 C85.2 C86.2 C87.1 C88.1 C89.2 C90.2 C91.2 C92.2 C93.1 C94.1 C95.1 C96.2 C97.2 C98.2 C99.2 C100.2 C101.2 C102.2 C103.2 C104.2 C105.2 C106.2 C107.2 C108.2 C109.2 C110.2 C111.2 C112.2 C113.2 C114.2 C115.2 C116.1 C117.1 C118.1 C119.1 C120.1 C121.1 C122.1 C123.2 C124.2 C125.1 C126.1 C127.2 C128.2 C129.1 C138.2 C139.2 C140.2 C141.2 C142.2 C143.2 C144.2 C145.2 C154.2 C155.2 C156.2 C157.2 C158.2 C159.2 C160.2 C161.2 C170.2 C171.2 C172.2 C173.2 C174.2 C175.2 C176.2 C177.2 C186.2 C187.2 C188.2 C189.2 C190.2 C191.2 C192.2 C193.2 C196.2 C197.2 C205.2 C206.2 C209.2 C210.2 C221.2 C222.2 C224.1 C225.2 E1.2 E2.2 P9.1 P9.3 PW1.1 PW1.3 PW2.1 PW2.3 PW3.1 PW3.3 PW4.1 PW4.3 PX1.1 PX1.3 PX2.1 PX2.3 PX3.1 PX3.3 PX4.1 PX4.3 PY1.1 PY1.3 PY2.1 PY2.3 PY3.1 PY3.3 PY4.1 PY4.3 PZ1.1 PZ1.3 PZ2.1 PZ2.3 PZ3.1 PZ3.3 PZ4.1 PZ4.3 R58.1 R120.1 R121.1 R134.1 R135.2 U15.3 U15.7 U15.12 U15.18 U15.23 U15.25 U15.26 U15.32 U15.38 U15.46 U15.49 U15.53 U16.3 U16.7 U16.12 U16.18 U16.23 U16.25 U16.26 U16.32 U16.38 U16.46 U16.49 U16.53 U17.3 U17.7 U17.12 U17.18 U17.23 U17.25 U17.26 U17.32 U17.38 U17.46 U17.49 U17.53 U18.3 U18.7 U18.12 U18.18 U18.23 U18.25 U18.26 U18.32 U18.38 U18.46 U18.49 U18.53 U19.1 U19.2 U19.5 U19.8 U19.10 U19.11 U19.17 U20.2 U21.2 U22.2 U23.2 U24.2 U25.8 U26.8 U27.8 U28.8 U29.8 U30.8 U31.8 U32.8 U33.8 U34.8 U35.8 U36.8 U37.8 U38.8 U39.8 U40.8 U41.8 V1.7 V4.4 V4.13 V5.4 V5.13
  other v1: 78.994,191.135 107.442,191.262 171.196,191.262 134.874,191.389 68.58,191.77 69.469,191.77 78.994,191.897 171.196,191.897 107.442,192.024 52.578,192.151 134.874,192.151 68.58,192.532 69.469,192.532 171.196,192.532 78.994,192.659 107.442,192.786 52.578,192.913 134.874,192.913 171.196,193.167 48.387,193.294 68.58,193.294 69.469,193.294 70.231,193.294 70.976,193.331 78.994,193.421 97.155,193.421 97.917,193.421 98.679,193.421 125.349,193.421 126.111,193.421 126.873,193.421 107.442,193.548 134.874,193.548 52.578,193.675 171.196,193.802 48.387,194.056 97.155,194.183 97.917,194.183 98.679,194.183 125.349,194.183 126.111,194.183 126.873,194.183 48.387,194.818 48.387,195.58 175.387,204.724 175.768,205.359 179.832,205.486 180.086,206.375 85.725,207.899 127.508,207.899 152.654,207.899 68.961,208.026 93.98,208.026 102.362,208.026 110.744,208.026 119.126,208.026 135.89,208.026 144.272,208.026 43.815,208.153 52.197,208.153 77.216,208.153 161.036,208.153 169.291,208.153 35.433,208.28 60.579,208.28 85.725,208.661 127.508,208.661 152.654,208.661 68.961,208.788 93.98,208.788 102.362,208.788 110.744,208.788 119.126,208.788 135.89,208.788 144.272,208.788 43.815,208.915 52.197,208.915 77.216,208.915 161.036,208.915 169.291,208.915 35.433,209.042 60.579,209.042 175.768,209.423 175.768,210.185
  other v3: 56.388,184.023 57.15,184.023 57.912,184.023 58.674,184.023 59.436,184.023 60.198,184.023 60.96,184.023 81.407,184.023 82.169,184.023 82.931,184.023 83.693,184.023 84.455,184.023 85.217,184.023 85.979,184.023 109.728,184.023 110.49,184.023 111.252,184.023 112.014,184.023 112.903,184.023 113.665,184.023 114.427,184.023 137.922,184.023 138.684,184.023 139.446,184.023 140.208,184.023 140.97,184.023 141.732,184.023 142.494,184.023 56.388,184.785 58.674,184.785 60.96,184.785 81.407,184.785 83.693,184.785 85.979,184.785 109.728,184.785 112.014,184.785 114.427,184.785 137.922,184.785 140.208,184.785 142.494,184.785 56.388,185.547 58.674,185.547 60.96,185.547 81.407,185.547 83.693,185.547 85.979,185.547 109.728,185.547 112.014,185.547 114.427,185.547 137.922,185.547 140.208,185.547 142.494,185.547 56.388,186.309 57.15,186.309 57.912,186.309 58.674,186.309 59.436,186.309 60.198,186.309 60.96,186.309 81.407,186.309 82.169,186.309 82.931,186.309 83.693,186.309 84.455,186.309 85.217,186.309 85.979,186.309 109.728,186.309 110.49,186.309 111.252,186.309 112.014,186.309 112.776,186.309 113.538,186.309 114.427,186.309 137.922,186.309 138.684,186.309 139.446,186.309 140.208,186.309 140.97,186.309 141.732,186.309 142.494,186.309 56.388,187.071 58.674,187.071 60.96,187.071 81.407,187.071 83.693,187.071 85.979,187.071 109.728,187.071 112.014,187.071 114.427,187.071 137.922,187.071 140.208,187.071 142.494,187.071 154.559,187.579 155.321,187.579 156.083,187.579 56.388,187.833 58.674,187.833 60.96,187.833 81.407,187.833 83.693,187.833 85.979,187.833 109.728,187.833 112.014,187.833 114.427,187.833 137.922,187.833 140.208,187.833 142.494,187.833 56.388,188.595 57.15,188.595 57.912,188.595 58.674,188.595 59.436,188.595 60.198,188.595 60.96,188.595 81.407,188.595 82.169,188.595 82.931,188.595 83.693,188.595 84.455,188.595 85.217,188.595 85.979,188.595 109.728,188.595 110.49,188.595 111.252,188.595 112.014,188.595 112.776,188.595 113.665,188.595 114.427,188.595 137.922,188.595 138.684,188.595 139.446,188.595 140.208,188.595 140.97,188.595 141.732,188.595 142.494,188.595
  other v4: 100.076,182.626 100.838,182.626 99.294,182.668 95.504,182.753 96.266,182.753 96.901,182.753 180.086,208.534